# Altium PCB PCB1_backup1.PcbDoc (continued)
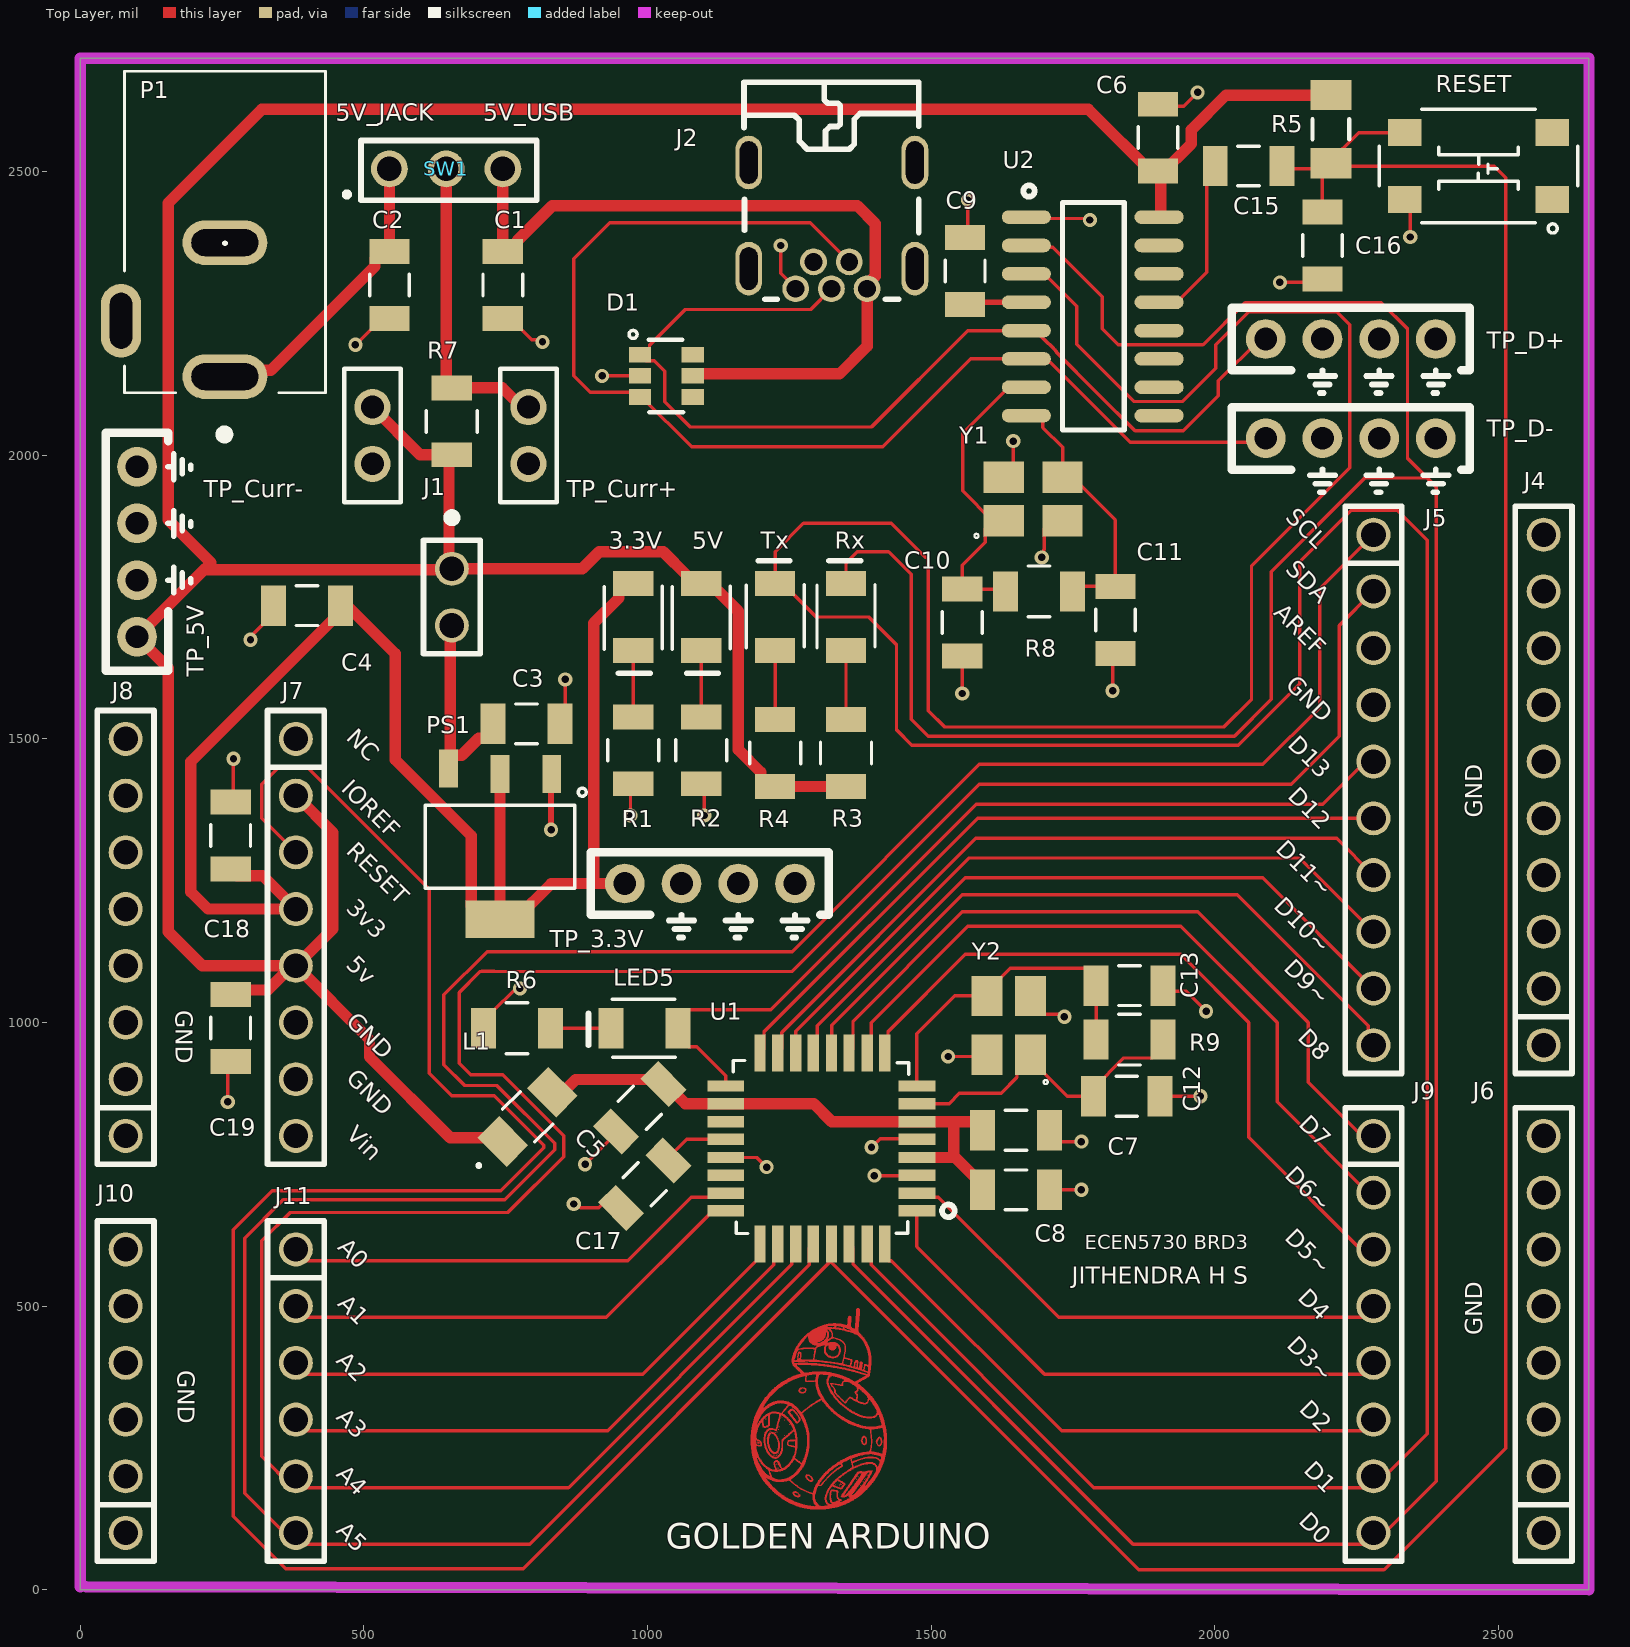
[diagram p0: Top Layer view]
## Part data
3.3V 5V LED5 Rx Tx: library part CMP-007-00045-1, "Red 621~631nm 1206 Light Emitting Diodes (LED) RoHS", LCSC Part#=C93133, MFR Part #=15-21/R6C-FQ1R1B/2T, Component Type=Standard, Datasheet=https://datasheet.lcsc.com/szlcsc/1811151241_Everlight-Elec-15-21-R6C-FQ1R1B-2T_C93133.pdf, Design Item ID=LED_RED_1206, Pins=2, Source=ECEN5730Lib_2023_05_DS.SchLib, Type=Extended
C1 C2 C3 C4 C6 C9 C10 C11 C12 C13: library part CMP-001-00089-1, "22uF ±10% 25V X5R 1206 Multilayer Ceramic Capacitors MLCC - SMD/SMT RoHS", LCSC Part#=C12891, MFR Part #=CL31A226KAHNNNE, Component Type=Standard, Datasheet=https://datasheet.lcsc.com/lcsc/1811031514_Samsung-Electro-Mechanics-CL31A226KAHNNNE_C12891.pdf, Design Item ID=C_22uF_1206, Pins=2, Source=ECEN5730Lib_2023_05_DS.SchLib, Type=basic
C5 C7 C8: library part CMP-001-00098-1, "22uF ±10% 25V X5R 1206 Multilayer Ceramic Capacitors MLCC - SMD/SMT RoHS", LCSC Part#=C12891, MFR Part #=CL31A226KAHNNNE, Component Type=Standard, Datasheet=https://datasheet.lcsc.com/lcsc/1811031514_Samsung-Electro-Mechanics-CL31A226KAHNNNE_C12891.pdf, Design Item ID=C_22uF_1206, Pins=2, Source=ECEN5730Lib_2023_05_DS.SchLib, Type=basic
C15: library part C_10uF_1206, "10uF ±10% 50V X5R 1206 Multilayer Ceramic Capacitors MLCC - SMD/SMT RoHS", LCSC Part#=C13585, MFR Part #=CL31A106KBHNNNE, Datasheet=https://datasheet.lcsc.com/lcsc/1810221112_Samsung-Electro-Mechanics-CL31A106KBHNNNE_C13585.pdf, Type=Basic
C16: library part CMP-001-00095-1, "MULTILAYER CERAMIC CAPACITORS MLCC - SMD/SMT 1UF 50V 1206 ROHS", LCSC Part#=C1848, MFR Part #=CL31B105KBHNNNE, Component Type=Standard, Design Item ID=C_1uF_1206, Digikey Link=https://www.digikey.com/product-detail/en/C1206C105M4RACTU/399-8150-1-ND/3471873/?itemSeq=304982366, Pins=2, Source=ECEN5730Lib_2023_05_DS.SchLib, Type=Basic
C17: library part C_1uF_1206, "MULTILAYER CERAMIC CAPACITORS MLCC - SMD/SMT 1UF 50V 1206 ROHS", LCSC Part#=C1848, MFR Part #=CL31B105KBHNNNE, Digikey Link=https://www.digikey.com/product-detail/en/C1206C105M4RACTU/399-8150-1-ND/3471873/?itemSeq=304982366, Type=Basic
C18 C19: library part C_22uF_1206, "22uF ±10% 25V X5R 1206 Multilayer Ceramic Capacitors MLCC - SMD/SMT RoHS", LCSC Part#=C12891, MFR Part #=CL31A226KAHNNNE, Datasheet=https://datasheet.lcsc.com/lcsc/1811031514_Samsung-Electro-Mechanics-CL31A226KAHNNNE_C12891.pdf, Type=basic
D1: library part CMP-004-00031-1, "TVS SOT-23-6 ROHS", LCSC Part#=C85364, MFR Part #=SRV05-4-P-T7, Component Type=Standard, Datasheet=https://datasheet.lcsc.com/szlcsc/ProTek-Devices-SRV05-4-P-T7_C85364.pdf, Design Item ID=D_TVS_Diode, Pins=6, Source=ECEN5730Lib_2023_05_DS.SchLib, Type=Basic
J1: library part CMP-002-00089-1, "2.54mm Straight 2 1 Header,Breakaway Through Hole,P=2.54mm Pin Header & Female Header ROHS", LCSC Part#=C124375, MFR Part #=B-2100S02P-A110, Component Type=Standard, Datasheet=https://datasheet.lcsc.com/lcsc/1811151421_Ckmtw-Shenzhen-Cankemeng-B-2100S02P-A110_C124375.pdf, Design Item ID=JM_2_PIN_MALE, Pins=2, Source=ECEN5730Lib_2023_05_DS.SchLib, Type=Extended
J2: library part CMP-013-000002-1, "Through Hole USB Connectors RoHS", LCSC Part#=C46398, MFR Part #=920-462A2021D10102, Component Type=Standard, Datasheet=https://datasheet.lcsc.com/szlcsc/2103081233_Jing-Extension-of-the-Electronic-Co-920-462A2021D10102_C46398.pdf, Design Item ID=J_USB_B_Mini, Pin Count=9, Source=ECEN5730Lib_2023_05_DS.SchLib, Type=Extended
J4: library part CMP-002-00103-1, "10 Position Header Connector 0.100\" (2.54mm) Through Hole Tin", LCSC Part#=C225507, MFR Part #=PPTC101LFBN-RC, Component Type=Standard, Design Item ID=JF_10_PIN_FEMALE_, Digikey Link=https://www.digikey.com/product-detail/en/PPTC101LFBN-RC/S7008-ND/810149/?itemSeq=304982352, Pins=10, Source=ECEN5730Lib_2023_05_DS.SchLib, Type=Extended
J5: library part CMP-002-00102-1, "10 Position Header Connector 0.100\" (2.54mm) Through Hole Tin", LCSC Part#=C225507, MFR Part #=PPTC101LFBN-RC, Component Type=Standard, Design Item ID=JF_10_PIN_FEMA_ARDUINO, Digikey Link=https://www.digikey.com/product-detail/en/PPTC101LFBN-RC/S7008-ND/810149/?itemSeq=304982352, Pins=10, Source=ECEN5730Lib_2023_05_DS.SchLib, Type=Extended
J6 J8: library part CMP-002-00113-1, "8 Position Header Connector 0.100\" (2.54mm) Through Hole Tin", LCSC Part#=C27438, MFR Part #=PPTC081LFBN-RC, Component Type=Standard, Design Item ID=JF_8_PIN_FEMALE, Digikey Link=https://www.digikey.com/product-detail/en/PPTC081LFBN-RC/S7006-ND/810147/?itemSeq=304982354, Pins=8, Source=ECEN5730Lib_2023_05_DS.SchLib, Type=Extended
J7: library part CMP-002-00112-1, "8 Position Header Connector 0.100\" (2.54mm) Through Hole Tin", LCSC Part#=C27438, MFR Part #=PPTC081LFBN-RC, Component Type=Standard, Design Item ID=JF_8_PIN_FEMA_ARD-Pwr, Digikey Link=https://www.digikey.com/product-detail/en/PPTC081LFBN-RC/S7006-ND/810147/?itemSeq=304982354, Pins=8, Source=ECEN5730Lib_2023_05_DS.SchLib, Type=Extended
J9: library part CMP-002-00111-1, "8 Position Header Connector 0.100\" (2.54mm) Through Hole Tin", LCSC Part#=C27438, MFR Part #=PPTC081LFBN-RC, Component Type=Standard, Design Item ID=JF_8_PIN_FEMA_ARD-Dig, Digikey Link=https://www.digikey.com/product-detail/en/PPTC081LFBN-RC/S7006-ND/810147/?itemSeq=304982354, Pins=8, Source=ECEN5730Lib_2023_05_DS.SchLib, Type=Extended
J10: library part CMP-002-00109-1, "6 Position Header Connector 0.100\" (2.54mm) Through Hole Tin", LCSC Part#=C40877, MFR Part #=PPTC061LFBN-RC, Component Type=Standard, Design Item ID=JF_6_PIN_FEMALE, Digikey Link=https://www.digikey.com/product-detail/en/PPTC061LFBN-RC/S7004-ND/810145/?itemSeq=304982353, Pins=6, Source=ECEN5730Lib_2023_05_DS.SchLib, Type=Extended
J11: library part CMP-002-00108-1, "6 Position Header Connector 0.100\" (2.54mm) Through Hole Tin", LCSC Part#=C40877, MFR Part #=PPTC061LFBN-RC, Component Type=Standard, Design Item ID=JF_6_PIN_FEMA_ARD-Anolog, Digikey Link=https://www.digikey.com/product-detail/en/PPTC061LFBN-RC/S7004-ND/810145/?itemSeq=304982353, Pins=6, Source=ECEN5730Lib_2023_05_DS.SchLib, Type=Extended
L1: library part CMP-006-00021-1, "25mA 10uH ±10% 800mO 1206  Inductors (SMD) ROHS", LCSC Part#=C1051, MFR Part #=CMI321609X100KT, Mfr_Name="FH (Guangdong Fenghua Advanced Tech)", Component Type=Standard, Datasheet=https://datasheet.lcsc.com/lcsc/1810311314_FH--Guangdong-Fenghua-Advanced-Tech-CMI321609X100KT_C1051.pdf, Design Item ID=FB_10uH_1206, Pins=2, Source=ECEN5730Lib_2023_05_DS.SchLib, Type=Basic
P1: library part CMP-002-00097-1, "Power Barrel Connector Jack 2.10mm ID (0.083\"), 5.50mm OD (0.217\") Through Hole, Right Angle", LCSC Part#=C136744, MFR Part #=PJ-102A, Component Type=Standard, Design Item ID="P_Power Jack", Digikey Link=https://www.digikey.com/product-detail/en/PJ-102A/CP-102A-ND/275425/?itemSeq=304982367, Pins=3, Source=ECEN5730Lib_2023_05_DS.SchLib, Type=Extended
PS1: library part CMP-017-000002-1, "LOW DROPOUT REGULATORS(LDO) POSITIVE FIXED 1.3V @ 800MA 15V 3.3V 1A SOT-223 ROHS", LCSC Part#=C6186, MFR Part #=AMS1117-3.3, Component Type=Standard, Design Item ID=PS_AMS_LDO_3v3, Pin Count=4, Source=ECEN5730Lib_2023_05_DS.SchLib, Type=Basic
R1 R2 R3 R4 R6: library part CMP-009-00194-1, "CHIP RESISTOR - SURFACE MOUNT 1KOHMS ±1% 1/4W 1206 ROHS", LCSC Part#=C4410, MFR Part #=RNCP1206FTD1K00CT, Component Type=Standard, Design Item ID=R_1K_1206, Digikey Link=https://www.digikey.com/product-detail/en/RNCP1206FTD1K00/RNCP1206FTD1K00CT-ND/2240675/?itemSeq=304982373, Pins=2, Source=ECEN5730Lib_2023_05_DS.SchLib, Type=Basic
R5: library part CMP-009-00016-5, "Chip Resistor, 10 KOhm, +/- 1%, 0.25 W, -55 to 155 degC, 1206 (3216 Metric)", Case/Package=1206, Max Operating Temperature=155°C, Min Operating Temperature=-55°C, Power=250mW, Tolerance=1%, Voltage Rating=200V, Mounting Technology=SM, Pins=2, RoHS Compliant=True
R7: library part CMP-009-00210-1, "Resistors/Shunt 250mW 500mO ±800ppm/? ±5% 1206  Current Sense  Resistors ROHS", LCSC Part#=C247433, MFR Part #=1206W4J050KT5E, Component Type=Standard, Datasheet=https://datasheet.lcsc.com/lcsc/1810301438_UNI-ROYAL-Uniroyal-Elec-1206W4J050KT5E_C247433.pdf, Design Item ID=R_500mOhm_1206, Pins=2, Source=ECEN5730Lib_2023_05_DS.SchLib, Type=Extended
R8 R9: library part R_1M_1206, "CHIP RESISTOR - SURFACE MOUNT 1MOHMS ±1% 1/4W 1206 ROHS", LCSC Part#=C17927, MFR Part #=RMCF1206JT1M00, Digikey Link=https://www.digikey.com/product-detail/en/RMCF1206JT1M00/RMCF1206JT1M00CT-ND/1942830/?itemSeq=304982358, Type=Basic
RESET: library part CMP-011-00014-1, "Tactile Switch SPST-NO Top Actuated Surface Mount", LCSC Part#=C2837550, MFR Part #=KH-4.5X4.5X4.3H-STM, Component Type=Standard, Datasheet=https://datasheet.lcsc.com/lcsc/2106081532_Shenzhen-Kinghelm-Elec-KH-4.5X4.5X4.3H-STM_C2837550.pdf, Design Item ID=SW_Push_Button_JLC, Pins=4, Source=ECEN5730Lib_2023_05_DS.SchLib, Type=Extended
SW1: library part CMP-002-00126-1, "Connector Header Through Hole 3 position 0.100\" (2.54mm)", LCSC Part#=C49257, MFR Part #=PREC003SAAN-RC, Component Type=Standard, Design Item ID=SW_3Pin_100mil_Switch, Digikey Link=https://www.digikey.com/product-detail/en/PREC003SAAN-RC/S1012EC-03-ND/2774851/?itemSeq=304982371, Pins=3, Source=ECEN5730Lib_2023_05_DS.SchLib, Type=Extended
TP_3.3V TP_5V: library part CMP-016-000001-1, "Test Point 300 mil centers", Component Type=Standard, Design Item ID=TP_10x_Probe, Pin Count=2, Source=ECEN5730Lib_2023_05_DS.SchLib
TP_Curr+ TP_Curr-: library part CMP-016-000002-1, "Test Point 300 mil centers", Component Type=Standard, Design Item ID=TP_Diff_Probe, Pin Count=2, Source=ECEN5730Lib_2023_05_DS.SchLib
TP_D+ TP_D-: library part CMP-016-000004-1, "Test Point 300 mil centers", Component Type=Standard, Design Item ID=TP_10x_Probe, Pin Count=2, Source=ECEN5730Lib_2023_05_DS.SchLib
U1: library part CMP-031-00012-1, "AVR AVR® ATmega Microcontroller IC 8-Bit 20MHz 32KB (16K x 16) FLASH 32-TQFP (7x7)", LCSC Part#=C14877, MFR Part #=ATMEGA328P-AU, Component Type=Standard, Design Item ID=U_ATMega328P, Digikey Link=https://www.digikey.com/product-detail/en/ATMEGA328P-ANR/ATMEGA328P-ANRCT-ND/2774230/?itemSeq=304982365, Pins=32, Source=ECEN5730Lib_2023_05_DS.SchLib, Type=Basic
U2: library part CMP-031-00016-1, "Transceiver USB 2.0 2Mbps SOP-16_150mil USB ICs RoHS", LCSC Part#=C14267, MFR Part #=CH340G, Component Type=Standard, Datasheet=https://datasheet.lcsc.com/lcsc/2008191806_WCH-Jiangsu-Qin-Heng-CH340G_C14267.pdf, Design Item ID=U_USBtoSerial, Pins=16, Source=ECEN5730Lib_2023_05_DS.SchLib, Type=Basic
Y1: library part CMP-003-00030-1, "SMD Crystal Resonators 12MHz ±10ppm SMD-3225_4P RoHS", LCSC Part#=C9002, MFR Part #=X322512MSB4SI, Component Type=Standard, Datasheet=https://datasheet.lcsc.com/szlcsc/Yangxing-Tech-X322512MSB4SI_C9002.pdf, Design Item ID=X_12MHz_Res, Pins=4, Source=ECEN5730Lib_2023_05_DS.SchLib, Type=Basic
Y2: library part X_16Mhz_Res, "±10ppm 16000000Hz -40℃~85℃ 贴片无源晶振 60Ω 9pF SMD3225-4P Crystals ROHS", LCSC Part#=C13738, MFR Part #=X322516MLB4SI, Type=Basic

## Via types
v1: diameter 25, hole 13, Top Layer to Bottom Layer, 32 vias

## Nets (pads, with @x,y where several pads share a name; then routed paths per layer and width w, separated by ;. In a path a pad name is that pad's centre, name@x,y a point inside that pad or via, vN(x,y) a via of type N, cw(c..) or ccw(c..) an arc to the next point about the centre after c; other vN are vias at no path point)
3.3V: 3.3V.1 C4.1 C18.2 J7.4 PS1.2 PS1.4 TP_3.3V.1 | length 2724
  Top Layer w20: C18.2 277,1259 321,1259 J7.4 225,1200 195,1230 195,1460 444.5,1709.5 447,1709.5 459,1721.5 C4.1 ; C4.1@464.75,1740.75 555,1650.5 555,1463.55 689,1329.55 689,1205.51 PS1.4@707.26,1187.26 ; PS1.4@712.46,1182.05 PS1.4 ; PS1.2@740,1454.92 PS1.2 PS1.4 ; TP_3.3V.1 905,1245 ; 3.3V.1 961.5,1774 949.5,1762 949.5,1748.5 905,1704 905,1245 ; PS1.4 767.54,1182.05 830.49,1245 905,1245
5V_JACK: C2.2 P1.1 SW1.1 | length 535.1
  Top Layer w20: P1.1 266.24,2150.02 336.02,2150.02 519.5,2333.5 519.5,2347 531.5,2359 C2.2 SW1.1
5V_USB: C1.2 D1.5 J2.1 SW1.3 | length 1407.3
  Top Layer w20: SW1.3 C1.2 758.5,2359 770.5,2371 770.5,2378.28 832.22,2440 1370,2440 1401.72,2408.28 1401.72,2315.63 1387.2,2301.12 1387.2,2192.2 1338.62,2143.62 1080.87,2143.62 D1.5@1077.24,2140
328_RX: J9.8 Rx.2 U1.30 U2.2 | length 5871.6
  Top Layer w6: Rx.2 1350,1810 1370,1830 1420,1830 1424.99,1830.01 1465,1790 1465,1535 1495,1505 2035,1505 2100,1570 2100,1795 2265,1960 2375,1960 ; U1.30 1362.43,602.5 1362.43,573.63 1856.06,80 2280,80 2391,191 2391,1944 2375,1960 ; U2.2 1670.79,2367.21 1714.21,2367.21 1801.96,2279.45 1801.96,2223.04 1830,2195 1979.49,2195 2053.49,2269 2293.88,2269 2340,2222.88 2340,1995 2375,1960
328_TX: J9.7 Tx.2 U1.31 U2.3 | length 7247.8
  Top Layer w6: U1.31 1394.43,602.5 1394.43,572.63 1787.06,180 2280,180 2375,275 2375,1850 2322,1903 2240.51,1903 2150,1812.49 2150,1597.37 2041.63,1489 1466,1489 1439,1516 1439,1666 1390,1715 1297.5,1715 1238.5,1774 Tx.2 1225,1830 1275,1880 1430,1880 1490,1820 1491.49,1820 1495,1816.49 1495,1550 1524,1521 2015.88,1521 2065,1570.12 2065,1805 2238,1978 2238,2230 2215,2253 2060.12,2253 2001.89,2194.77 2001.89,2153.23 1943.66,2095 1857.47,2095 1756.5,2195.96 1756.5,2262.8 1699.31,2320 U2.3
+5: 5V.1 C6.1 C19.2 J1.1 J7.2 J7.5 L1.1 R3.1 R4.1 R5.2 R7.1 TP_5V.1 TP_Curr-.1 U2.16 | length 6787
  Top Layer w20: 220.5,1800.5 218.15,1798.15 ; 225.25,1805.25 230.5,1810.5 155,1886 155,2445 320,2610 1777.5,2610 1892.5,2495 1905,2495 1905,2421.85 1903.15,2420 U2.16 ; C19.2@245,1059 C19.2@258.5,1059 ; C19.2 273.35,1057.35 330.5,1057.35 J7.5@373.15,1100 ; J7.2 445,1335 445,1165 J7.5 ; TP_Curr-.1 599,2001 R7.1 650.16,1996.16 J1.1@650.16,1803.96 ; L1.1 738.3,796.93 652.14,796.93 510,939.07 510,970 J7.5 ; R4.1 R3.1 ; R4.1@1225.5,1416.5 1225,1417 1211.5,1417 1199.5,1429 1199.5,1441.62 1160,1481.12 1160,1725 1123,1762 1093.5,1762 1069.5,1786 1069.5,1788.28 1027.78,1830 915,1830 885,1800 J1.1 653.15,1798.15 218.15,1798.15 ; C6.1@1904.75,2495.25 1959,2549.5 1959,2574 2020.04,2635.04 R5.2@2190,2635.04 ; 218.15,1798.15 TP_5V.1 155,1625 155,1160 215,1100 J7.5@373.15,1100 ; J7.5@373.15,1100 J7.5
A0: J11.1 U1.23 | length 807.3
  Top Layer w6: J11.1@380,580 965,580 1077,692 1130.99,692 U1.23
A1: J11.2 U1.24 | length 835.9
  Top Layer w6: J11.2@380,480 927.51,480 1115.51,668 U1.24
A2: J11.3 U1.25 | length 926.7
  Top Layer w6: J11.3@380,380 991.41,380 1198.43,587.02 U1.25
A3: J11.4 U1.26 | length 1003.4
  Top Layer w6: J11.4@380,280 929.79,280 1222.43,572.63 1222.43,602.5 U1.26
A4: J5.2 J11.5 U1.27 | length 4550.5
  Top Layer w6: U1.27 1254.43,602.5 1254.43,573.63 860.79,180 380,180 375,180 320,235 320,615 370,665 753.53,665 852.19,763.66 852.19,800.42 744.68,907.93 688.48,907.93 667.94,928.46 667.94,1052.94 703.29,1088.29 705,1090 707.41,1090.05 729.48,1090.49 cw(c730,1065) 730.02,1090.5 1250.03,1090 1255,1090 1256.76,1091.76 1585,1420 2135,1420 2220,1505 2220,1700 J5.2
A5: J5.1 J11.6 U1.28 | length 4822.4
  Top Layer w6: U1.28 1285.43,602.5 1285.43,572.63 792.79,80 380,80 290,170 290,620 357.37,687.37 747.99,687.37 836.19,775.57 836.19,787.07 734.28,888.98 677.42,888.98 641.09,925.3 641.09,1048.72 717.37,1125 1255,1125 1585,1455 2085,1455 2185,1555 2185,1765 J5.1
D2: J9.6 U1.32 | length 1011.2
  Top Layer w6: U1.32 1418.43,587.02 1425.43,580.02 1429.98,580.02 1730,280 J9.6@2280,280
D3: J9.5 U1.1 | length 961.2
  Top Layer w6: U1.1 1475,605 1700,380 J9.5@2280,380
D4: J9.4 U1.2 | length 895.7
  Top Layer w6: U1.2 1482,692 1513,692 1725,480 J9.4@2280,480
D5: J9.3 U1.9 | length 1294.5
  Top Layer w6: U1.9 1424.07,952.15 1424.07,984.07 1560,1120 1940,1120 2060,1000 2060,797.37 2277.37,580 J9.3@2280,580
D6: J9.2 U1.10 | length 1302.9
  Top Layer w6: U1.10 1394.43,953.5 1394.43,999.43 1565,1170 1940,1170 2110,1000 2110,860 2280,690 J9.2@2280,680
D7: J9.1 U1.11 | length 1289.6
  Top Layer w6: U1.11 1362.43,953.5 1362.43,1002.43 1555,1195 1970,1195 2165,1000 2165,895 J9.1@2280,780
D8: J5.10 U1.12 | length 1223.4
  Top Layer w6: U1.12 1324.84,946.92 1324.84,994.84 1555,1225 2040,1225 2270.92,994.08 2270.92,969.08 J5.10
D9: J5.9 U1.13 | length 1220.1
  Top Layer w6: U1.13 1299.43,953.5 1299.43,994.43 1560,1255 2085,1255 J5.9
D10: J5.8 U1.14 | length 1237.1
  Top Layer w6: U1.14 1261.43,984.74 1566.68,1290 2150,1290 J5.8
D11: J5.7 U1.15 | length 1251.2
  Top Layer w6: U1.15 1236.43,953.5 1236.43,982.37 1579.06,1325 2215,1325 J5.7
D12: J5.6 U1.16 | length 1270.3
  Top Layer w6: U1.16 1205.43,953.5 1205.43,983.37 1582.06,1360 J5.6
D13: J5.5 LED5.1 U1.17 | length 1573.3
  Top Layer w6: U1.17 1137.99,906.01 1086.5,957.5 1073,957.5 1054,976.5 LED5.1 1054,1003.5 1073,1022.5 1217.5,1022.5 1580,1385 2190.39,1385 2265.39,1460 J5.5
D+: D1.1 J2.3 TP_D+.1 U2.5 | length 1793
  Top Layer w6: J2.3 1287.59,2257.12 1066.39,2257.12 1003.52,2194.26 1003.52,2188.35 992.74,2177.57 D1.1 997.46,2166.95 1011.96,2166.95 1030.74,2148.17 1030.74,2094.43 1075.16,2050 1395,2050 1565,2220 1682.51,2220 1716.32,2188.32 cw(c1699.31,2170) 1721.98,2180.53 1792.28,2110.23 1859.51,2043 1944.49,2043 2006.51,2105.01 2006.51,2131.51 TP_D+.1@2080,2205
D-: D1.3 J2.2 TP_D-.1 U2.6 | length 2128.7
  Top Layer w6: D1.3@975.61,2111.22 898.78,2111.22 870,2140 870,2346.49 933.51,2410 1286.85,2410 J2.2 ; D1.3@990.14,2102.6 1077.74,2015 1415,2015 1570,2170 1704.18,2170 1710.57,2163.61 ; 1710.62,2163.61 1851.22,2023 TP_D-.1@2083,2023
  Top Layer w10: TP_D-.1@2083,2023 TP_D-.1
GND: C1.1 C2.1 C3.2 C4.2 C5.1 C6.2 C7.1 C8.1 C9.2 C10.1 C11.1 C12.1 C13.1 C16.1 C17.2 C18.1 C19.1 D1.2 J2.5 J2.6 J2.7 J2.8 J2.9 J4.1 J4.2 J4.3 J4.4 J4.5 J4.6 J4.7 J4.8 J4.9 J4.10 J5.4 J6.1 J6.2 J6.3 J6.4 J6.5 J6.6 J6.7 J6.8 J7.6 J7.7 J8.1 J8.2 J8.3 J8.4 J8.5 J8.6 J8.7 J8.8 J10.1 J10.2 J10.3 J10.4 J10.5 J10.6 P1.2 P1.3 PS1.1 R1.1 R2.1 R6.1 RESET.2 TP_3.3V.2 TP_5V.2 TP_Curr+.1 TP_Curr-.2 TP_D+.2 TP_D-.2 U1.3 U1.5 U1.21 U2.1 Y1.2 Y1.4 Y2.2 Y2.4 | length 2516
  Top Layer w6: C19.1@245,941 C19.1@258.5,941 ; v1(260,860) 260,926 C19.1 ; C18.1 270,1394 v1(270,1465) ; v1(300,1675) 303.64,1678.64 303.64,1684.14 346,1726.5 C4.2@346,1754 ; v1(485,2195) 485.5,2195 531.5,2241 C2.1 ; R6.1 730,1022.5 763.86,1056.36 771.36,1056.36 v1(775,1060) ; C1.1 758.5,2241 795.86,2203.64 811.36,2203.64 v1(815,2200) ; C3.2@854,1530 855,1531 v1(855,1605) ; v1(870,680) 875.14,680 881.86,673.28 914.41,673.28 920.41,679.28 947.28,679.28 C17.2 ; v1(890,750) C5.1@948.28,808.28 ; v1(920,2140) D1.2@984.23,2140 ; v1(970,1365) R1.1@970,1421 ; v1(1100,1365) R2.1@1100,1422 ; U1.21 1193,762 v1(1210,745) ; v1(1235,2370) 1235,2320.93 1261.22,2294.7 J2.5 ; v1(1395,780) 1395.41,780 1410.41,795 1474,795 U1.5 ; v1(1400,730) 1474,730 U1.3 ; v1(1530,940) 1595.75,940 Y2.4 ; v1(1555,1580) C10.1 ; C9.2 1565,2389 v1(1565,2450) ; Y1.4@1635.91,1971.22 1645,1980.32 v1(1645,2025) ; U2.1 1670.5,2417.5 1777.5,2417.5 v1(1780,2415) ; Y2.2 1675.16,1039.09 1699.72,1014.54 1725.32,1014.54 1729.86,1010 v1(1735,1010) ; v1(1695,1820) 1698.64,1823.64 1698.64,1833.78 1699.54,1834.68 1699.54,1870.28 1724.09,1894.84 Y1.2@1731.97,1894.84 ; C8.1 v1(1765,705) ; C7.1 1709,809 1728,790 v1(1765,790) ; v1(1820,1585) 1820,1646 C11.1 ; C6.2@1903.5,2615.5 1945.5,2615.5 v1(1970,2640) ; C12.1 v1(1975,870) ; C13.1 1919,1055 1950,1055 v1(1985,1020) ; v1(2115,2305) 2184,2305 C16.1 ; RESET.2@2321.02,2450 2325.32,2450 2345,2430.32 v1(2345,2385)
  Top Layer w10: v1(830,1340) 830,1436.95 PS1.1
Net3.3V_2: 3.3V.2 R1.2 | length 117
  Top Layer w6: R1.2 3.3V.2
Net5V_2: 5V.2 R2.2 | length 117
  Top Layer w6: R2.2 5V.2
NetC3_1: C3.1 J1.2 PS1.3 | length 363
  Top Layer w20: PS1.3 649,1464.76 PS1.3@652,1467.76 ; J1.2 652,1697 PS1.3@652,1467.76 ; C3.1 727.98,1513.15 715.98,1501.15 702.48,1501.15 672.59,1471.26 655.5,1471.26 PS1.3@652,1467.76
NetC5_2: C5.2 C7.2 C8.2 L1.2 U1.4 U1.6 U1.18 | length 1002.9
  Top Layer w20: L1.2 851.11,877.18 873.57,899.65 1000.53,899.65 1001.72,900.84 1022.6,900.84 1031.72,891.72 1066.44,857 U1.18 1293,857 1325,825 U1.6 1540,825 ; U1.4 1539.86,762 ; 1540,762 1540,825 ; 1542.5,762 C8.2@1591,713.5 ; C7.2 1576,825 1540,825
NetC9_1: C9.1 U2.4 | length 135
  Top Layer w10: C9.1@1533,2270 U2.4
NetC10_2: C10.2 R8.1 U2.7 Y1.1 | length 586.1
  Top Layer w6: Y1.1@1611.17,1894.84 1620.16,1894.84 1609.2,1883.89 1595.6,1870.28 1595.6,1846.94 1555,1806.34 C10.2 1627,1764 R8.1 ; Y1.1 1608.24,1884.84 1555.62,1937.46 1555.62,2038.93 U2.7@1636.69,2120
  Top Layer w10: U2.7@1636.69,2120 U2.7
NetC11_2: C11.2 R8.2 U2.8 Y1.3 | length 462.5
  Top Layer w6: U2.8 1688.78,2070 1697.09,2061.69 1697.09,2049 1731.97,2014.12 1731.97,1971.22 1739.84,1971.22 1825,1886.06 C11.2 1758,1769 R8.2
NetC12_2: C12.2 R9.1 U1.7 Y2.1 | length 563.4
  Top Layer w6: U1.7 1532,857 1550,875 1623.37,875 1651.42,903.05 1651.42,911.42 Y2.1@1675.16,935.16 ; Y2.1 Y2.1@1675.16,935.16 ; R9.1 1909,956.5 1890,937.5 1840,937.5 1786,883.5 C12.2 1740.32,870 Y2.1@1675.16,935.16
NetC13_2: C13.2 R9.2 U1.8 Y2.3 | length 574.7
  Top Layer w6: U1.8 1475,980 1541.97,1046.97 Y2.3 1598.78,1054.84 1639.34,1095.4 1772,1095.4 1791,1076.4 C13.2 R9.2
NetC17_1: C17.1 U1.20 | length 119.6
  Top Layer w6: C17.1@1034.22,759.22 1069,794 U1.20 U1.20@1138.99,795
NetLED5_2: LED5.2 R6.2 | length 107
  Top Layer w6: R6.2 LED5.2
NetR3_2: R3.2 Rx.1 | length 122
  Top Layer w6: R3.2 Rx.1
NetR4_2: R4.2 Tx.1 | length 121
  Top Layer w6: R4.2@1225,1535 Tx.1
NetR7_2: R7.2 SW1.2 TP_Curr+.2 | length 539.2
  Top Layer w20: SW1.2 645,2129 R7.2 744.15,2119 778.15,2085 TP_Curr+.2
RESET_CH340: C15.1 U2.13 | length 288.1
  Top Layer w6: U2.13@1933.31,2270 1986,2322.69 C15.1@1986,2505
  Top Layer w10: U2.13 U2.13@1933.31,2270
RESET_PIN: C15.2 C16.2 J7.3 R5.1 RESET.4 U1.29 | length 7980.7
  Top Layer w6: J7.3 320,1360 320,1420 350,1450 400,1450 615,1235 615,910.64 655.09,870.55 730.08,870.55 816.82,783.8 816.82,778.83 741.36,703.37 338.37,703.37 270,635 270,129.19 362.19,37 780.79,37 1324.43,580.63 U1.29 ; U1.29@1322.51,578.72 1866.23,35 2298.64,35 2513,249.36 2513,2489.31 2492.87,2509.44 R5.1@2205.36,2509.44 ; C15.2@2104,2505 R5.1@2180.04,2505 ; C16.2 R5.1@2190,2514.96 ; R5.1@2199.84,2514.96 2253.94,2569.05 RESET.4@2320.08,2569.05
  Top Layer w10: R5.1@2180.04,2505 2190,2514.96 2199.84,2514.96 R5.1@2205.36,2509.44
pads on no net: D1.4 D1.6 J2.4 J5.3 J7.1 J7.8 RESET.1 RESET.3 U1.19 U1.22 U2.9 U2.10 U2.11 U2.12 U2.14 U2.15

## Polygon pours and split planes (outlines as drawn)
GND on Bottom Layer "GND_L02_P000" (solid, pour order 0): 0,0 0,2700 2660,2700 2660,0

## Keep-outs
Keep-Out Layer:
  lines w20: 0,5 0,2700 2660,2700 2660,0 10,5

## Other copper
Top Layer:
  region: 1252.09,257.13 1251.99,257.04 1251.9,257.32 1251.99,257.41 1252.09,257.32
  region: 1227.72,220.44 1227.63,220.53 1227.72,220.63 1227.81,220.53
  region: 1229.74,239.57 1229.92,239.75 1230.02,239.48 1229.74,239.38 1229.65,239.48
  region: 1354.52,175.48 1354.43,175.2 1354.34,175.48 1354.43,175.57
  region: 1210.43,302.47 1210.52,302.37 1210.25,302.28 1210.15,302.37 1210.25,302.47
  region: 1227.35,275.61 1227.44,275.52 1227.17,275.43 1227.07,275.52 1227.17,275.61
  region: 1241.33,299.34 1241.88,299.15 1241.97,298.88 1241.69,298.6 1241.33,298.79 1241.23,299.25
  region: 1227.81,220.72 1228.18,221.64 1228.27,222.1 1228.36,221.09 1227.9,220.63
  region: 1371.44,199.2 1371.17,198.92 1370.89,199.2 1371.07,199.75 1371.35,199.84 1371.63,199.57 1371.53,199.29
  region: 1375.3,183.57 1375.4,184.03 1375.67,183.94 1375.49,183.57 1375.4,183.48
  region: 1358.38,180.63 1358.29,180.35 1357.92,180.53 1357.83,180.63 1358.11,180.9 1358.38,180.81
  region: 1207.76,300.53 1207.95,301.27 1208.59,301.36 1209.05,301.09 1209.14,300.63 1208.78,300.26 1207.86,300.44
  region: 1381.74,193.13 1381.56,192.76 1381.47,192.67 1381.37,192.95 1381.65,193.22
  region: 1339.99,186.51 1340.09,186.79 1340.45,186.6 1340.55,186.33 1340.27,186.23 1340.09,186.42
  region: 1223.86,278.74 1224.22,278.56 1224.32,278.28 1224.04,278.19 1223.4,278.65 1223.67,278.74
  region: 1240.59,270.28 1240.32,270.37 1240.41,270.65 1240.68,270.37
  region: 1250.43,291.52 1250.34,291.06 1250.06,291.34 1250.15,291.8 1250.34,291.61
  region: 1339.07,182.65 1338.8,182.56 1338.52,182.83 1338.98,182.92 1339.07,182.83
  region: 1341.74,185.68 1342.2,185.59 1342.02,185.04 1341.56,184.95 1341.28,185.22 1341.37,185.68 1341.56,185.68
  region: 1330.8,185.22 1330.71,185.13 1330.61,185.41 1330.89,185.5 1330.98,185.41 1330.89,185.32
  region: 1383.49,196.35 1383.4,196.44 1383.67,196.72 1383.95,196.63 1383.86,195.98 1383.58,196.07 1383.58,196.26
  region: 1222.48,279.2 1222.2,279.11 1221.65,279.48 1221.83,279.66 1222.48,279.38
  region: 1232.22,215.2 1232.32,215.29 1232.41,215.02 1232.32,214.92 1232.22,215.02
  region: 1230.29,213.45 1229.74,213.64 1229.65,214.83 1230.11,214.92 1230.57,214.46 1230.66,213.64 1230.48,213.45
  region: 1194.8,257.41 1194.71,257.87 1194.98,257.96 1195.81,257.32 1195.63,256.95 1195.17,256.86 1194.89,257.13 1194.89,257.32
  region: 1231.67,286.74 1231.86,288.03 1231.95,288.12 1232.22,287.84 1232.13,286.47 1231.76,286.65
  region: 1222.75,237.73 1223.67,237.55 1223.95,237.27 1223.76,236.9 1222.75,236.81 1222.11,237.45 1222.38,237.73 1222.57,237.73
  region: 1197.1,257.68 1196.91,258.05 1197.37,258.14 1197.46,257.32 1197.19,257.22 1197.1,257.5
  region: 1231.4,240.49 1230.84,240.3 1230.75,240.95 1231.03,241.22 1231.58,241.04 1231.67,240.76 1231.49,240.58
  region: 1230.75,282.69 1231.21,282.79 1231.3,282.33 1231.03,282.05 1230.66,282.24 1230.57,282.33 1230.75,282.51
  region: 1379.9,190.74 1380.09,191.29 1380.36,191.38 1380.45,190.92 1380.18,190.65 1379.99,190.65
  region: 1339.17,184.95 1338.89,185.04 1338.98,185.5 1339.44,185.41 1339.35,184.95
  region: 1368.41,195.06 1368.78,195.43 1369.05,195.34 1368.87,194.6 1368.41,194.14 1368.13,194.42 1368.32,194.97
  region: 1216.96,279.75 1217.14,279.38 1216.13,278.92 1215.67,279.02 1215.86,279.57 1216.87,279.84
  region: 1254.38,281.5 1254.11,281.59 1254.2,281.87 1254.66,281.78 1254.57,281.5
  region: 1387.07,201.78 1387.26,202.14 1387.72,202.23 1387.81,201.78 1387.35,201.32 1387.07,201.41 1387.07,201.59
  region: 1225.05,276.99 1224.68,277.36 1225.51,277.45 1225.79,277.18 1225.6,276.81 1225.51,276.72 1225.14,276.9
  region: 1275.63,356.44 1276.36,356.26 1277.46,355.71 1278.94,354.79 1279.3,354.42 1279.49,354.05 1279.86,353.68 1280.22,351.48 1280.04,350.37 1279.12,349.09 1278.48,348.26 1278.11,348.07 1277.74,347.52 1276.82,347.15 1275.53,346.6 1274.8,346.42 1272.22,346.05 1271.67,346.24 1270.57,346.42 1270.48,346.51 1269.28,347.15 1268.36,347.52 1268.09,347.8 1267.99,348.07 1267.63,348.26 1267.17,348.72 1266.98,349.09 1266.25,350.74 1266.43,352.21 1267.17,353.5 1267.99,354.51 1268.55,355.06 1269.46,355.61 1270.75,356.17 1272.22,356.35 1273.14,356.72 hole: 1274.25,354.14 1273.14,353.96 1270.38,352.49 1270.11,352.21 1269.74,351.29 1269.92,350.56 1270.11,350.37 1270.11,350.19 1270.38,349.91 1271.12,349.73 1272.41,349.18 1274.61,349.36 1275.9,349.91 1276.27,350.1 1276.91,350.56 1277.1,351.29 1276.91,352.4 1276.45,353.22 1275.53,353.59
  region: 1262.11,173.18 1262.48,172.81 1263.76,172.07 1265.05,171.15 1265.6,170.6 1265.97,170.42 1268.64,167.75 1268.82,167.38 1269.19,167.02 1269.56,166.1 1269.74,165.55 1269.28,164.53 1268.91,164.35 1268.18,163.61 1266.98,163.34 1265.97,162.88 1264.04,163.15 1263.95,163.25 1262.94,163.52 1262.2,163.71 1261.56,163.98 1259.53,165.09 1259.17,165.45 1258.8,165.64 1257.79,166.65 1257.6,167.02 1257.05,167.57 1256.32,168.86 1255.95,169.22 1256.13,171.43 1256.96,172.26 1257.33,172.44 1259.35,173.36 hole: 1260.09,170.23 1259.44,169.96 1259.35,169.5 1259.81,168.86 1260.45,168.21 1260.82,168.03 1261.28,167.57 1261.46,167.2 1263.49,166.28 1265.97,166.19 1266.25,166.46 1266.06,167.2 1265.14,168.12 1264.96,168.49 1264.5,168.76 1264.32,168.76 1263.03,169.5 1262.11,169.87 1260.64,170.05
  region: 1194.98,259.61 1195.9,259.98 1196.45,259.8 1196.73,259.52 1196.64,258.51 1196.09,258.69 1195.72,259.06 1194.71,258.97 1194.25,259.61 1193.69,259.8 1193.42,260.26 1193.69,260.72 1194.15,260.63 1194.34,259.89 1194.43,259.61 1194.8,259.61
  region: 1237.28,304.12 1237,304.21 1237.1,304.49 1237.74,304.4 1237.65,304.12 1237.46,304.12
  region: 1383.03,270.74 1384.04,270.1 1385.05,269.09 1385.24,268.72 1385.6,268.35 1385.88,267.34 1386.06,266.6 1386.43,265.68 1386.71,264.67 1386.89,263.94 1386.71,258.97 1386.34,258.6 1386.15,258.24 1385.79,257.87 1385.51,256.86 1384.22,255.57 1383.3,255.2 1382.02,255.02 1380.36,255.38 1379.35,256.21 1378.61,256.95 1378.06,258.24 1377.69,259.52 1377.14,260.81 1376.78,262.28 1376.41,263.2 1376.59,264.3 1377.51,266.33 1378.06,267.8 1378.8,269.09 1379.63,270.28 1379.99,270.46 1380.91,270.83 1381.65,271.02 1382.02,271.02 hole: 1382.38,267.52 1381.47,267.34 1380.64,265.96 1380.36,264.95 1379.9,263.75 1380.09,260.81 1380.45,259.89 1380.55,259.8 1381.01,259.15 1381.56,258.6 1381.65,258.33 1382.75,258.51 1383.03,258.79 1383.21,259.15 1383.58,259.52 1384.13,261.36 1383.95,264.86 1383.03,266.33 1382.66,267.25
  region: 1225.69,238.1 1226.25,238.28 1226.61,238.1 1226.71,238.01 1226.43,237.73 1225.69,237.91 1225.6,238.01
  region: 1253.83,257.78 1253.74,258.05 1254.02,258.14 1254.11,257.87 1254.02,257.78
  region: 1226.8,236.81 1227.35,236.99 1227.72,237.18 1228.18,237.82 1228.64,237.91 1228.91,237.64 1228.64,237.18 1228.27,236.99 1226.98,236.26 1226.25,235.52 1225.79,235.8 1225.88,236.07 1226.71,236.53 1226.71,236.72
  region: 1241.42,272.21 1241.51,272.49 1241.97,272.4 1241.88,271.75 1241.33,271.94 1241.23,272.03 1241.33,272.12
  region: 1283.26,202.97 1283.81,202.79 1284.91,202.23 1285.1,202.23 1287.12,201.13 1288.13,200.3 1288.78,199.84 1289.23,199.2 1289.79,198.65 1289.97,198.28 1290.52,197.91 1292.18,194.42 1291.9,193.04 1290.98,191.57 1290.25,190.83 1289.33,190.46 1288.59,190.28 1287.3,190.46 1286.57,190.65 1285.1,191.2 1283.44,192.49 1282.15,193.41 1281.69,193.87 1281.51,194.23 1280.87,194.69 1280.59,194.97 1280.41,195.34 1279.49,196.63 1279.12,197.55 1278.94,198.28 1278.66,199.48 1278.57,200.3 1279.67,202.33 1279.95,202.6 1280.68,202.79 1281.05,203.15 hole: 1282.71,200.03 1282.34,199.84 1282.25,199.75 1282.06,199.2 1282.61,197.91 1282.8,197.36 1283.35,196.81 1283.53,196.44 1284.36,195.43 1284.91,194.69 1286.11,194.23 1286.94,193.96 1287.67,193.78 1288.78,193.96 1288.87,194.6 1287.95,196.26 1286.94,197.82 1286.57,198.01 1286.02,198.56 1285.65,198.74 1284.18,199.66
  region: 1382.48,194.23 1382.66,194.97 1383.12,195.06 1383.21,194.6 1382.75,194.14 1382.57,194.14
  region: 1219.17,277.91 1219.81,277.82 1220.36,278.01 1221.65,277.82 1222.75,277.09 1223.12,276.9 1225.42,275.15 1226.15,274.42 1226.52,273.5 1226.71,273.13 1227.26,272.58 1227.44,272.21 1228.45,270.28 1228.73,270.19 1228.91,269.09 1229.83,268.17 1230.02,267.61 1230.38,266.69 1230.57,266.33 1230.57,266.14 1230.94,265.22 1231.86,262.83 1232.04,261.91 1232.41,260.99 1232.68,259.98 1232.87,258.88 1233.05,257.96 1233.33,256.95 1233.42,255.75 1233.33,255.29 1233.51,254.74 1233.23,250.42 1233.05,249.32 1232.59,247.75 1232.41,246.1 1231.67,244.99 1230.2,242.24 1229.37,241.22 1229,240.86 1228.27,240.67 1227.9,240.3 1227.53,240.12 1227.17,239.75 1226.43,239.57 1225.14,239.38 1222.02,239.57 1221.65,239.94 1220.73,240.3 1220.36,240.49 1218.71,241.78 1218.25,242.24 1218.06,242.6 1216.96,243.34 1216.78,243.71 1215.86,245.36 1215.4,245.82 1215.12,245.91 1214.94,247.2 1214.57,247.57 1213.83,248.86 1213.46,249.78 1213.28,250.51 1212.73,251.06 1212.55,251.8 1212.36,253.27 1211.81,254.19 1211.63,255.48 1211.17,258.51 1210.98,259.98 1210.8,265.32 1210.71,266.33 1210.89,266.88 1211.17,268.63 1211.63,270.19 1211.9,271.38 1212.18,272.4 1213.46,274.79 1214.2,275.52 1214.66,276.35 1215.58,276.9 1217.97,278.01 1218.43,278.1 hole: 1219.44,274.88 1218.15,274.69 1217.33,274.05 1216.04,271.29 1215.67,270.37 1215.49,268.17 1215.3,267.61 1215.12,266.51 1214.94,265.96 1214.75,264.12 1214.94,258.42 1215.12,257.87 1215.49,255.66 1215.67,254.37 1216.22,253.09 1216.41,252.35 1216.87,251.15 1217.79,249.32 1218.25,248.49 1218.8,247.57 1219.17,247.2 1219.35,246.83 1219.72,246.46 1219.9,246.1 1220.73,245.09 1221.1,244.72 1221.46,244.53 1222.2,243.8 1222.57,243.61 1223.49,243.25 1224.22,243.06 1226.06,243.25 1226.61,243.8 1226.98,243.98 1227.44,244.44 1227.81,245.36 1227.99,245.73 1228.36,246.1 1228.73,247.02 1229,248.21 1229.19,249.13 1229.46,250.14 1229.65,250.88 1230.02,254.01 1229.83,256.4 1229.65,257.13 1229.46,259.15 1229.28,259.71 1229.1,260.44 1228.82,262.19 1228.55,263.02 1228.55,263.2 1227.81,264.86 1226.89,266.88 1225.6,269.27 1224.87,270.56 1223.95,271.48 1223.76,271.84 1221.65,273.96 1220.73,274.33
  region: 1411.44,268.26 1411.81,267.71 1412.09,267.61 1413.01,265.59 1413.19,264.3 1413.28,264.21 1413.74,262.65 1413.83,260.9 1413.65,259.06 1413.19,257.5 1412.91,256.49 1412.64,256.21 1412.45,255.84 1411.63,254.83 1411.17,254.19 1410.52,253.73 1409.6,253.18 1409.05,252.99 1407.4,253.18 1407.03,253.55 1405.37,254.46 1404.73,255.48 1403.99,257.13 1403.63,258.05 1403.44,258.79 1403.17,259.98 1402.98,260.72 1402.89,261.55 1403.26,262.46 1403.72,263.66 1403.99,263.94 1404.36,264.86 1404.55,265.22 1404.91,265.59 1405.1,266.33 1405.65,267.25 1406.48,268.26 1406.84,268.63 1408.59,269.27 1409.42,269.36 hole: 1409.42,265.87 1408.5,265.68 1407.3,264.49 1406.66,262.74 1406.48,262.01 1406.2,260.99 1406.38,258.6 1406.75,257.68 1407.21,256.49 1407.76,255.94 1408.5,255.75 1409.33,256.21 1409.33,256.4 1409.7,256.76 1409.88,257.13 1410.25,257.5 1410.71,258.69 1410.98,259.52 1410.8,263.02 1410.43,263.94
  region: 1256.22,318.83 1256.59,318.47 1256.96,318.28 1258.25,317.36 1259.07,316.53 1259.26,316.17 1260.73,314.69 1260.91,314.33 1261.83,313.41 1262.02,313.04 1262.94,311.75 1264.04,310.65 1264.41,309.73 1265.14,308.99 1265.88,307.71 1266.71,306.69 1267.81,304.86 1268.64,304.03 1269.74,301.64 1269.92,300.35 1269.74,298.88 1269.01,297.59 1267.72,295.94 1265.97,294.19 1265.23,293.82 1265.14,293.73 1264.13,293.27 1262.66,293.09 1262.38,293.36 1262.2,293.73 1261.56,294.37 1261.19,294.56 1260.73,295.2 1260.36,295.57 1260.18,295.94 1258.89,297.59 1258.52,297.96 1258.25,298.6 1257.88,298.79 1257.14,299.89 1256.87,300.17 1256.68,300.53 1255.95,301.27 1255.76,301.64 1254.94,302.65 1254.29,303.29 1254.11,303.66 1252.36,305.96 1251.99,306.14 1251.07,307.61 1250.61,308.07 1250.06,308.99 1248.78,310.28 1248.59,310.65 1247.86,311.38 1247.3,312.67 1247.49,313.59 1248.22,314.33 1248.68,315.15 1249.05,315.34 1249.42,315.71 1249.79,315.89 1250.34,316.44 1250.71,316.63 1251.17,317.09 1251.35,317.45 1251.81,317.91 1252.55,318.1 1254.2,318.83 1254.94,319.02 hole: 1255.12,315.52 1254.2,314.97 1253.56,314.51 1253.37,314.14 1253.1,313.87 1252.18,313.32 1251.9,312.86 1253.1,311.11 1253.37,310.83 1253.56,310.47 1254.66,309.36 1254.84,308.99 1256.59,306.7 1257.42,305.87 1257.6,305.5 1258.06,304.67 1258.43,304.49 1259.17,303.38 1259.44,303.11 1259.63,302.74 1260.18,302.19 1260.36,301.82 1260.73,301.45 1260.91,301.09 1261.46,300.53 1262.02,299.61 1262.38,299.25 1262.57,298.88 1263.86,297.22 1264.68,297.13 1264.78,297.22 1264.78,297.41 1265.51,298.69 1266.25,299.8 1266.43,300.53 1265.97,301.73 1265.51,302.74 1263.67,306.24 1263.12,306.79 1262.57,307.71 1262.2,308.07 1261.46,309.36 1260.91,309.91 1260.73,310.28 1259.44,311.57 1259.26,311.94 1258.15,313.04 1257.97,313.41 1257.33,313.87 1256.41,314.79 1256.04,314.97 1255.67,315.34
  region: 1228.64,277.64 1228.09,277.45 1227.81,277.73 1227.99,278.1 1228.27,278.37 1228.64,278.19 1228.73,277.73
  region: 712 vertices and 45 holes, not listed, extent 1182.02,141.55 1422.11,496.3

## Silkscreen, mask and mechanical layers (free items; w line width, h text height)
Top Overlay:
  text "5V_JACK" at 450,2590 h30
  text "5V_USB" at 710,2590 h30
  text "GND" at 2471.93,1360.72 h30 r90
  text "GND" at 167.84,1021.28 h30 r270
  text "ECEN5730 BRD3" at 1770.71,600.11 h25
  text "JITHENDRA H S" at 1747.98,539.54 h30
  text "GND" at 2471.93,448.75 h30 r90
  text "GND" at 171.86,386.52 h30 r270
  text "GOLDEN ARDUINO" at 1032,72 h45
Bottom Overlay:
  drawing of 67 lines, arcs and shapes, not listed
  text "GOLDEN ARDUINO" at 1730.17,714.66 h100
  text "ECEN5730 BRD3" at 1575,440 h40
  text "Designed by" at 1495,365 h30
  text "JITHENDRA H S" at 1565,260 h40
Top Solder:
  drawing of 54 lines, arcs and shapes, not listed

## Text inside footprints (layer, text, board x,y; h text height)
J5: Top Overlay "SCL" at 2123.21,1889 h30 r315; Top Overlay "SDA" at 2123.21,1797 h30 r315; Top Overlay "AREF" at 2102,1721 h30 r315; Top Overlay "GND" at 2123.21,1594 h30 r315; Top Overlay "D13" at 2126.74,1488 h30 r315; Top Overlay "D12" at 2126.74,1397 h30 r315; Top Overlay "D11~" at 2105.53,1304 h30 r315; Top Overlay "D10~" at 2102,1203 h30 r315; Top Overlay "D9~" at 2119.67,1094 h30 r315; Top Overlay "D8" at 2144.41,971 h30 r315
J7: Top Overlay "NC" at 467.07,1500 h30 r315; Top Overlay "IOREF" at 458.39,1410 h30 r315; Top Overlay "3v3" at 467.07,1200 h30 r315; Top Overlay "5v" at 467.07,1100 h30 r315; Top Overlay "GND" at 467.07,1000 h30 r315; Top Overlay "GND" at 467.07,900 h30 r315; Top Overlay "Vin" at 467.07,800 h30 r315; Top Overlay "RESET" at 467.07,1300 h30 r315
J9: Top Overlay "D5~" at 2122.07,619 h30 r315; Top Overlay "D0" at 2146.81,119 h30 r315; Top Overlay "D1" at 2155,209 h30 r315; Top Overlay "D2" at 2147,316 h30 r315; Top Overlay "D3~" at 2125,429 h30 r315; Top Overlay "D6~" at 2122.07,729 h30 r315; Top Overlay "D7" at 2146.81,819 h30 r315; Top Overlay "D4" at 2145,513 h30 r315
J11: Top Overlay "A1" at 452,502 h30 r315; Top Overlay "A0" at 452,602 h30 r315; Top Overlay "A2" at 449.07,402 h30 r315; Top Overlay "A3" at 449.07,302 h30 r315; Top Overlay "A4" at 449.07,202 h30 r315; Top Overlay "A5" at 449.07,102 h30 r315